# Altium PCB FX_PCB.PcbDoc (part 7 of 7)
Units mil, origin at the board's own origin, x right, y up, seen from the top; angles counter-clockwise.
Board outline 5533 x 3907 mil, 2 copper layers (Top Layer, Bottom Layer); 117 components, 100 nets, 439 pads, 176 vias.
Unrouted connection lines stored in the file: 106.
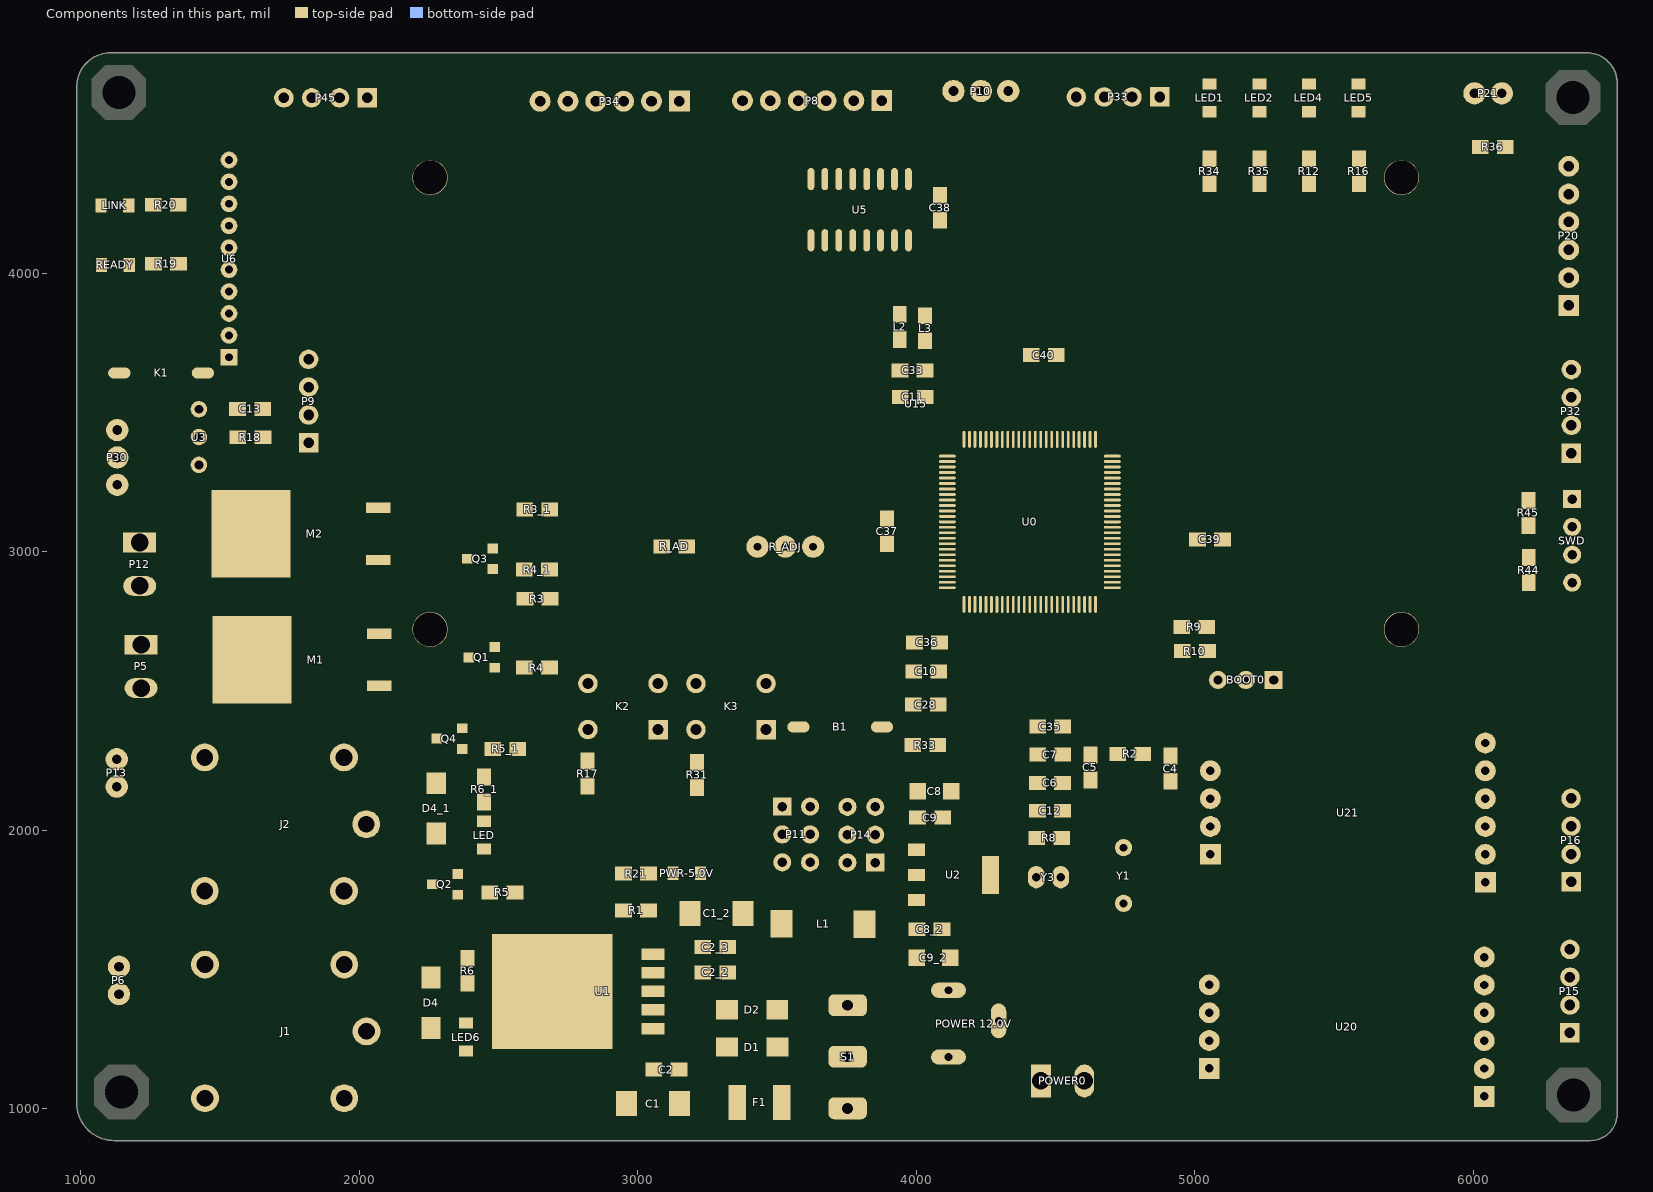
[diagram p7: the components of this part, seen from the top]

## Via types
v1: diameter 30, hole 15, Top Layer to Bottom Layer, 104 vias
v2: diameter 40, hole 18, Top Layer to Bottom Layer, 62 vias
v3: diameter 50, hole 28, Top Layer to Bottom Layer, 7 vias
v4: diameter 50, hole 23, Top Layer to Bottom Layer, 3 vias

## Nets (pads, with @x,y where several pads share a name; then routed paths per layer and width w, separated by ;. In a path a pad name is that pad's centre, name@x,y a point inside that pad or via, vN(x,y) a via of type N, cw(c..) or ccw(c..) an arc to the next point about the centre after c; other vN are vias at no path point) (continued)
copper on no net: (continued)
  Top Layer w2: 2577,3611 2639,3611 ; 2577,3613 2639,3613 ; 2577,3813 2593,3813 ; 2577,3821 2587,3821 ; 2577,3851 2587,3851 ; 2577,3859 2579,3859 ; 2579,3475 2589,3475 ; 2579,3535 2609,3535 ; 2579,3537 2611,3537 ; 2579,3539 2597,3539 ; 2579,3541 2613,3541 ; 2579,3543 2615,3543 ; 2579,3573 2629,3573 ; 2579,3595 2595,3595 ; 2579,3615 2641,3615 ; 2579,3625 2641,3625 ; 2579,3815 2591,3815 ; 2579,3817 2589,3817 ; 2579,3819 2587,3819 ; 2579,3849 2589,3849 ; 2581,3477 2591,3477 ; 2581,3607 2639,3607 ; 2581,3621 2641,3621 ; 2581,3627 2643,3627 ; 2581,3639 2585,3639 ; 2581,3641 2589,3641 ; 2581,3847 2591,3847 ; 2583,3479 2593,3479 ; 2583,3507 2589,3507 ; 2583,3551 2591,3551 ; 2583,3571 2627,3571 ; 2583,3629 2643,3629 ; 2583,3651 2587,3651 ; 2583,3653 2585,3653 ; 2583,3663 2645,3663 ; 2583,3845 2593,3845 ; 2585,3481 2595,3481 ; 2585,3557 2589,3557 ; 2585,3617 2641,3617 ; 2585,3659 2645,3659 ; 2585,3661 2645,3661 ; 2585,3843 2595,3843 ; 2587,3483 2597,3483 ; 2587,3569 2595,3569 ; 2587,3605 2637,3605 ; 2587,3619 2641,3619 ; 2587,3631 2643,3631 ; 2587,3657 2645,3657 ; 2587,3841 2597,3841 ; 2589,3485 2599,3485 ; 2589,3487 2601,3487 ; 2589,3633 2613,3633 ; 2589,3655 2645,3655 ; 2589,3837 2601,3837 ; 2589,3839 2599,3839 ; 2591,3555 2621,3555 ; 2591,3835 2601,3835 ; 2593,3489 2603,3489 ; 2593,3491 2603,3491 ; 2593,3551 2619,3551 ; 2593,3553 2619,3553 ; 2593,3557 2621,3557 ; 2593,3559 2623,3559 ; 2593,3635 2613,3635 ; 2593,3653 2645,3653 ; 2593,3833 2599,3833 ; 2595,3493 2597,3493 ; 2595,3561 2623,3561 ; 2595,3563 2625,3563 ; 2595,3603 2607,3603 ; 2595,3651 2645,3651 ; 2595,3831 2597,3831 ; 2597,3495 2599,3495 ; 2597,3565 2625,3565 ; 2597,3649 2615,3649 ; 2597,3829 2607,3829 ; 2599,3493 2605,3493 ; 2599,3497 2609,3497 ; 2599,3539 2613,3539 ; 2599,3567 2625,3567 ; 2599,3569 2627,3569 ; 2599,3637 2613,3637 ; 2599,3647 2615,3647 ; 2599,3827 2609,3827 ; 2599,3831 2605,3831 ; 2601,3495 2607,3495 ; 2601,3499 2611,3499 ; 2601,3501 2611,3501 ; 2601,3823 2611,3823 ; 2601,3825 2611,3825 ; 2601,3833 2605,3833 ; 2603,3503 2613,3503 ; 2603,3601 2607,3601 ; 2603,3821 2613,3821 ; 2605,3505 2607,3505 ; 2605,3819 2607,3819 ; 2607,3507 2617,3507 ; 2607,3509 2617,3509 ; 2607,3587 2633,3587 ; 2607,3589 2633,3589 ; 2607,3591 2635,3591 ; 2607,3593 2635,3593 ; 2607,3817 2617,3817 ; 2609,3505 2615,3505 ; 2609,3511 2619,3511 ; 2609,3595 2635,3595 ; 2609,3597 2635,3597 ; 2609,3601 2637,3601 ; 2609,3645 2611,3645 ; 2609,3813 2619,3813 ; 2609,3815 2617,3815 ; 2609,3819 2613,3819 ; 2611,3513 2613,3513 ; 2611,3599 2637,3599 ; 2611,3603 2637,3603 ; 2611,3811 2619,3811 ; 2613,3515 2621,3515 ; 2613,3517 2623,3517 ; 2613,3807 2623,3807 ; 2613,3809 2621,3809 ; 2615,3513 2621,3513 ; 2615,3519 2623,3519 ; 2615,3805 2625,3805 ; 2617,3521 2625,3521 ; 2617,3523 2627,3523 ; 2617,3633 2643,3633 ; 2617,3635 2643,3635 ; 2617,3637 2643,3637 ; 2617,3639 2643,3639 ; 2617,3641 2643,3641 ; 2617,3643 2645,3643 ; 2617,3801 2627,3801 ; 2617,3803 2625,3803 ; 2619,3525 2627,3525 ; 2619,3645 2645,3645 ; 2619,3647 2645,3647 ; 2619,3649 2645,3649 ; 2619,3799 2627,3799 ; 2621,3527 2629,3527 ; 2621,3529 2629,3529 ; 2621,3795 2631,3795 ; 2621,3797 2629,3797 ; 2623,3531 2631,3531 ; 2623,3533 2633,3533 ; 2623,3791 2633,3791 ; 2623,3793 2631,3793 ; 2625,3535 2633,3535 ; 2625,3537 2635,3537 ; 2625,3787 2635,3787 ; 2625,3789 2633,3789 ; 2627,3539 2635,3539 ; 2627,3541 2637,3541 ; 2627,3785 2637,3785 ; 2629,3543 2637,3543 ; 2629,3545 2639,3545 ; 2629,3781 2639,3781 ; 2629,3783 2637,3783 ; 2631,3547 2639,3547 ; 2631,3775 2641,3775 ; 2631,3777 2639,3777 ; 2631,3779 2639,3779 ; 2633,3549 2641,3549 ; 2633,3551 2641,3551 ; 2633,3553 2643,3553 ; 2633,3771 2643,3771 ; 2633,3773 2641,3773 ; 2635,3555 2643,3555 ; 2635,3557 2645,3557 ; 2635,3767 2645,3767 ; 2635,3769 2643,3769 ; 2637,3559 2645,3559 ; 2637,3561 2645,3561 ; 2637,3763 2645,3763 ; 2637,3765 2645,3765 ; 2639,3563 2647,3563 ; 2639,3565 2647,3565 ; 2639,3567 2649,3567 ; 2639,3759 2647,3759 ; 2639,3761 2647,3761 ; 2641,3569 2649,3569 ; 2641,3571 2649,3571 ; 2641,3753 2651,3753 ; 2641,3755 2649,3755 ; 2641,3757 2649,3757 ; 2643,3573 2651,3573 ; 2643,3575 2651,3575 ; 2643,3577 2653,3577 ; 2643,3747 2651,3747 ; 2643,3749 2651,3749 ; 2643,3751 2651,3751 ; 2645,3579 2653,3579 ; 2645,3581 2653,3581 ; 2645,3741 2653,3741 ; 2645,3743 2653,3743 ; 2645,3745 2653,3745 ; 2647,3583 2653,3583 ; 2647,3585 2655,3585 ; 2647,3587 2655,3587 ; 2647,3589 2655,3589 ; 2647,3735 2655,3735 ; 2647,3737 2655,3737 ; 2647,3739 2655,3739 ; 2649,3591 2655,3591 ; 2649,3593 2657,3593 ; 2649,3595 2657,3595 ; 2649,3597 2657,3597 ; 2649,3727 2657,3727 ; 2649,3729 2657,3729 ; 2649,3731 2657,3731 ; 2649,3733 2657,3733 ; 2651,3599 2659,3599 ; 2651,3601 2659,3601 ; 2651,3603 2659,3603 ; 2651,3605 2659,3605 ; 2651,3719 2659,3719 ; 2651,3721 2659,3721 ; 2651,3723 2659,3723 ; 2651,3725 2659,3725 ; 2653,3607 2661,3607 ; 2653,3609 2661,3609 ; 2653,3611 2661,3611 ; 2653,3613 2661,3613 ; 2653,3615 2661,3615 ; 2653,3707 2663,3707 ; 2653,3709 2661,3709 ; 2653,3711 2661,3711 ; 2653,3713 2661,3713 ; 2653,3715 2661,3715 ; 2653,3717 2661,3717 ; 2655,3617 2661,3617 ; 2655,3619 2663,3619 ; 2655,3621 2663,3621 ; 2655,3623 2663,3623 ; 2655,3625 2663,3625 ; 2655,3627 2663,3627 ; 2655,3697 2663,3697 ; 2655,3699 2663,3699 ; 2655,3701 2663,3701 ; 2655,3703 2663,3703 ; 2655,3705 2663,3705 ; 2657,3629 2663,3629 ; 2657,3631 2663,3631 ; 2657,3633 2665,3633 ; 2657,3635 2665,3635 ; 2657,3637 2665,3637 ; 2657,3639 2665,3639 ; 2657,3641 2665,3641 ; 2657,3643 2665,3643 ; 2657,3645 2665,3645 ; 2657,3647 2665,3647 ; 2657,3649 2665,3649 ; 2657,3651 2665,3651 ; 2657,3653 2665,3653 ; 2657,3655 2667,3655 ; 2657,3657 2667,3657 ; 2657,3667 2667,3667 ; 2657,3669 2667,3669 ; 2657,3671 2667,3671 ; 2657,3673 2667,3673 ; 2657,3675 2665,3675 ; 2657,3677 2665,3677 ; 2657,3679 2665,3679 ; 2657,3681 2665,3681 ; 2657,3683 2665,3683 ; 2657,3685 2665,3685 ; 2657,3687 2665,3687 ; 2657,3689 2665,3689 ; 2657,3691 2665,3691 ; 2657,3693 2665,3693 ; 2657,3695 2663,3695 ; 2659,3659 2667,3659 ; 2659,3661 2667,3661 ; 2659,3663 2667,3663 ; 2659,3665 2667,3665

## Keep-outs
Top Layer:
  lines w10: 1274.17,4649.02 ccw(c1136.48,4649.02) 1274.17,4649 ; 1284.17,1060.02 ccw(c1146.48,1060.02) 1284.17,1060 ; 2392.17,4346.02 ccw(c2254.48,4346.02) 2392.17,4346 ; 5880.17,2727.02 ccw(c5742.48,2727.02) 5880.17,2727 ; 6496.17,4631.02 ccw(c6358.48,4631.02) 6496.17,4631 ; 6498.17,1049.02 ccw(c6360.48,1049.02) 6498.17,1049
Bottom Layer:
  circle w10: c2254.43,4343.06 r137
  circle w10: c5744,2729 r137
  circle w10: c1136.48,4649.02 r137.35
  circle w10: c1146.48,1060.02 r141.72
  circle w10: c6360.48,1049.02 r137.56
  circle w10: c6358.48,4631.02 r137.03
Keep-Out Layer:
  lines w10: 985,1019.83 ccw(c1119.83,1019.83) 1119.83,885 6421.18,885 ccw(c6421.18,981.82) 6518,981.82 6518,4681.25 ccw(c6407.25,4681.25) 6407.25,4792 3197,4792 1107.82,4792 ccw(c1107.82,4669.18) 985,4669.18 985,1019.83

## Other copper
Top Layer:
  pour cut-out: 989,4590 1617,4590 1610,4583 1610,3558 985,3558 978,3551
  pour cut-out: 1618.5,4472 1622.5,4468 3025.5,4468 3025.5,3628 3029.5,3624 3025.5,3620 1618.5,3620
  text "智能蜂箱系统 V4.1" at 5253,3982 h80 r340.18
  text "2018.4.27" at 5514,3750 h80 r340.18
  text "集" at 2930.65,3592.7 h50
  text "大" at 3065.65,3592.7 h50
  text "电" at 2965.65,3537.7 h50
  text "协" at 3025.65,3537.7 h50
  text "1918" at 2371,3537 h50
Bottom Layer:
  pour cut-out: 987,4597 991,4593 1581,4593 1581,3611 1572,3602 990,3602
  pour cut-out: 1056,4765 1061,4770 1274,4770

## Silkscreen, mask and mechanical layers (free items; w line width, h text height)
Top Overlay:
  circle w10: c1136.48,4649.02 r118.11
  circle w10: c6358.48,4631.02 r118.11
  circle w10: c6360.48,1049.02 r118.11
  circle w10: c1146.48,1060.02 r118.11
  text "D11" at 5795,4488 h60
  text "B3" at 4746,4475 h60
  text "B2" at 4845,4475 h60
  text "TX0" at 1891,4474 h60
  text "+12" at 3736,4474 h60
  text "B4" at 4639,4474 h60
  text "+5" at 1681,4473 h60
  text "RX0" at 1765,4473 h60
  text "A6" at 2617,4473 h60
  text "E8" at 2821,4473 h60
  text "E10" at 3011,4473 h60
  text "E3" at 4204,4473 h60
  text "B5" at 4549,4473 h60
  text "A7" at 2713,4472 h60
  text "E11" at 3122,4472 h60
  text "+5" at 4078,4471 h60
  text "E9" at 2920,4470 h60
  text "-" at 4317,4460 h150
  text "-" at 3858,4457 h150
  text "-" at 2006,4454 h150
  text "-" at 5936,4449 h150
  text "预留IO" at 2893,4404 h60
  text "-" at 6188,4356 h150
  text "D10" at 6144,4270 h60
  text "D14" at 5189,4222 h60
  text "D13" at 5367,4220 h60
  text "D12" at 5539,4220 h60
  text "D15" at 5016,4217 h60
  text "D9" at 6173,4177 h60
  text "C6" at 6167,4068 h60
  text "WIFI_TX" at 1583,4061 h60
  text "WIFI_RX" at 1582,3995 h60
  text "C5" at 6170,3968 h60
  text "+5" at 6163,3868 h60
  text "RELOAD" at 1580,3851 h60
  text "+3.3" at 1586,3758 h60
  text "-" at 1599,3666 h150
  text "+5" at 6169,3645 h60
  text "HMI_R" at 1960,3596 h60
  text "C4" at 6164,3530 h60
  text "HMI_T" at 1962,3494 h60
  text "B1" at 6169,3426 h60
  text "-" at 6176,3311 h150
  text "+3.3" at 6410,3171 h60
  text "SDO" at 6403,3074 h60
  text "SCK" at 6403,2971 h60
  text "-" at 6442,2854 h150
  text "+3.3" at 5235,2607 h60
  text "-" at 4962.18,2507.18 h150
Top Solder:
  drawing of 7764 lines, arcs and shapes, not listed
  text "智能蜂箱系统 V4.1" at 5253,3982 h80 r340.18
  text "2018.4.27" at 5514,3750 h80 r340.18
  text "集" at 2930.65,3592.7 h50
  text "大" at 3065.65,3592.7 h50
  text "电" at 2965.65,3537.7 h50
  text "协" at 3025.65,3537.7 h50
  text "1918" at 2371,3537 h50

## Text inside footprints (layer, text, board x,y; h text height)
F1: Top Overlay "~" at 3455.06,1053 h98.43 r180
P6: Top Overlay "V" at 1255.11,1513.36 h50 r90; Top Overlay "V" at 1255.11,1371.63 h50 r90
P10: Top Overlay "V" at 4114.31,4544.08 h50; Top Overlay "V" at 4311.17,4544.08 h50
P13: Top Overlay "V" at 1247.11,2116.63 h50 r90; Top Overlay "V" at 1247.11,2258.36 h50 r90
P21: Top Overlay "V" at 6107.36,4527.89 h50; Top Overlay "V" at 5965.63,4527.89 h50
P30: Top Overlay "V" at 1240.92,3220.32 h50 r90; Top Overlay "V" at 1240.92,3417.17 h50 r90